# Allegro board neko-m5.brd (continued)
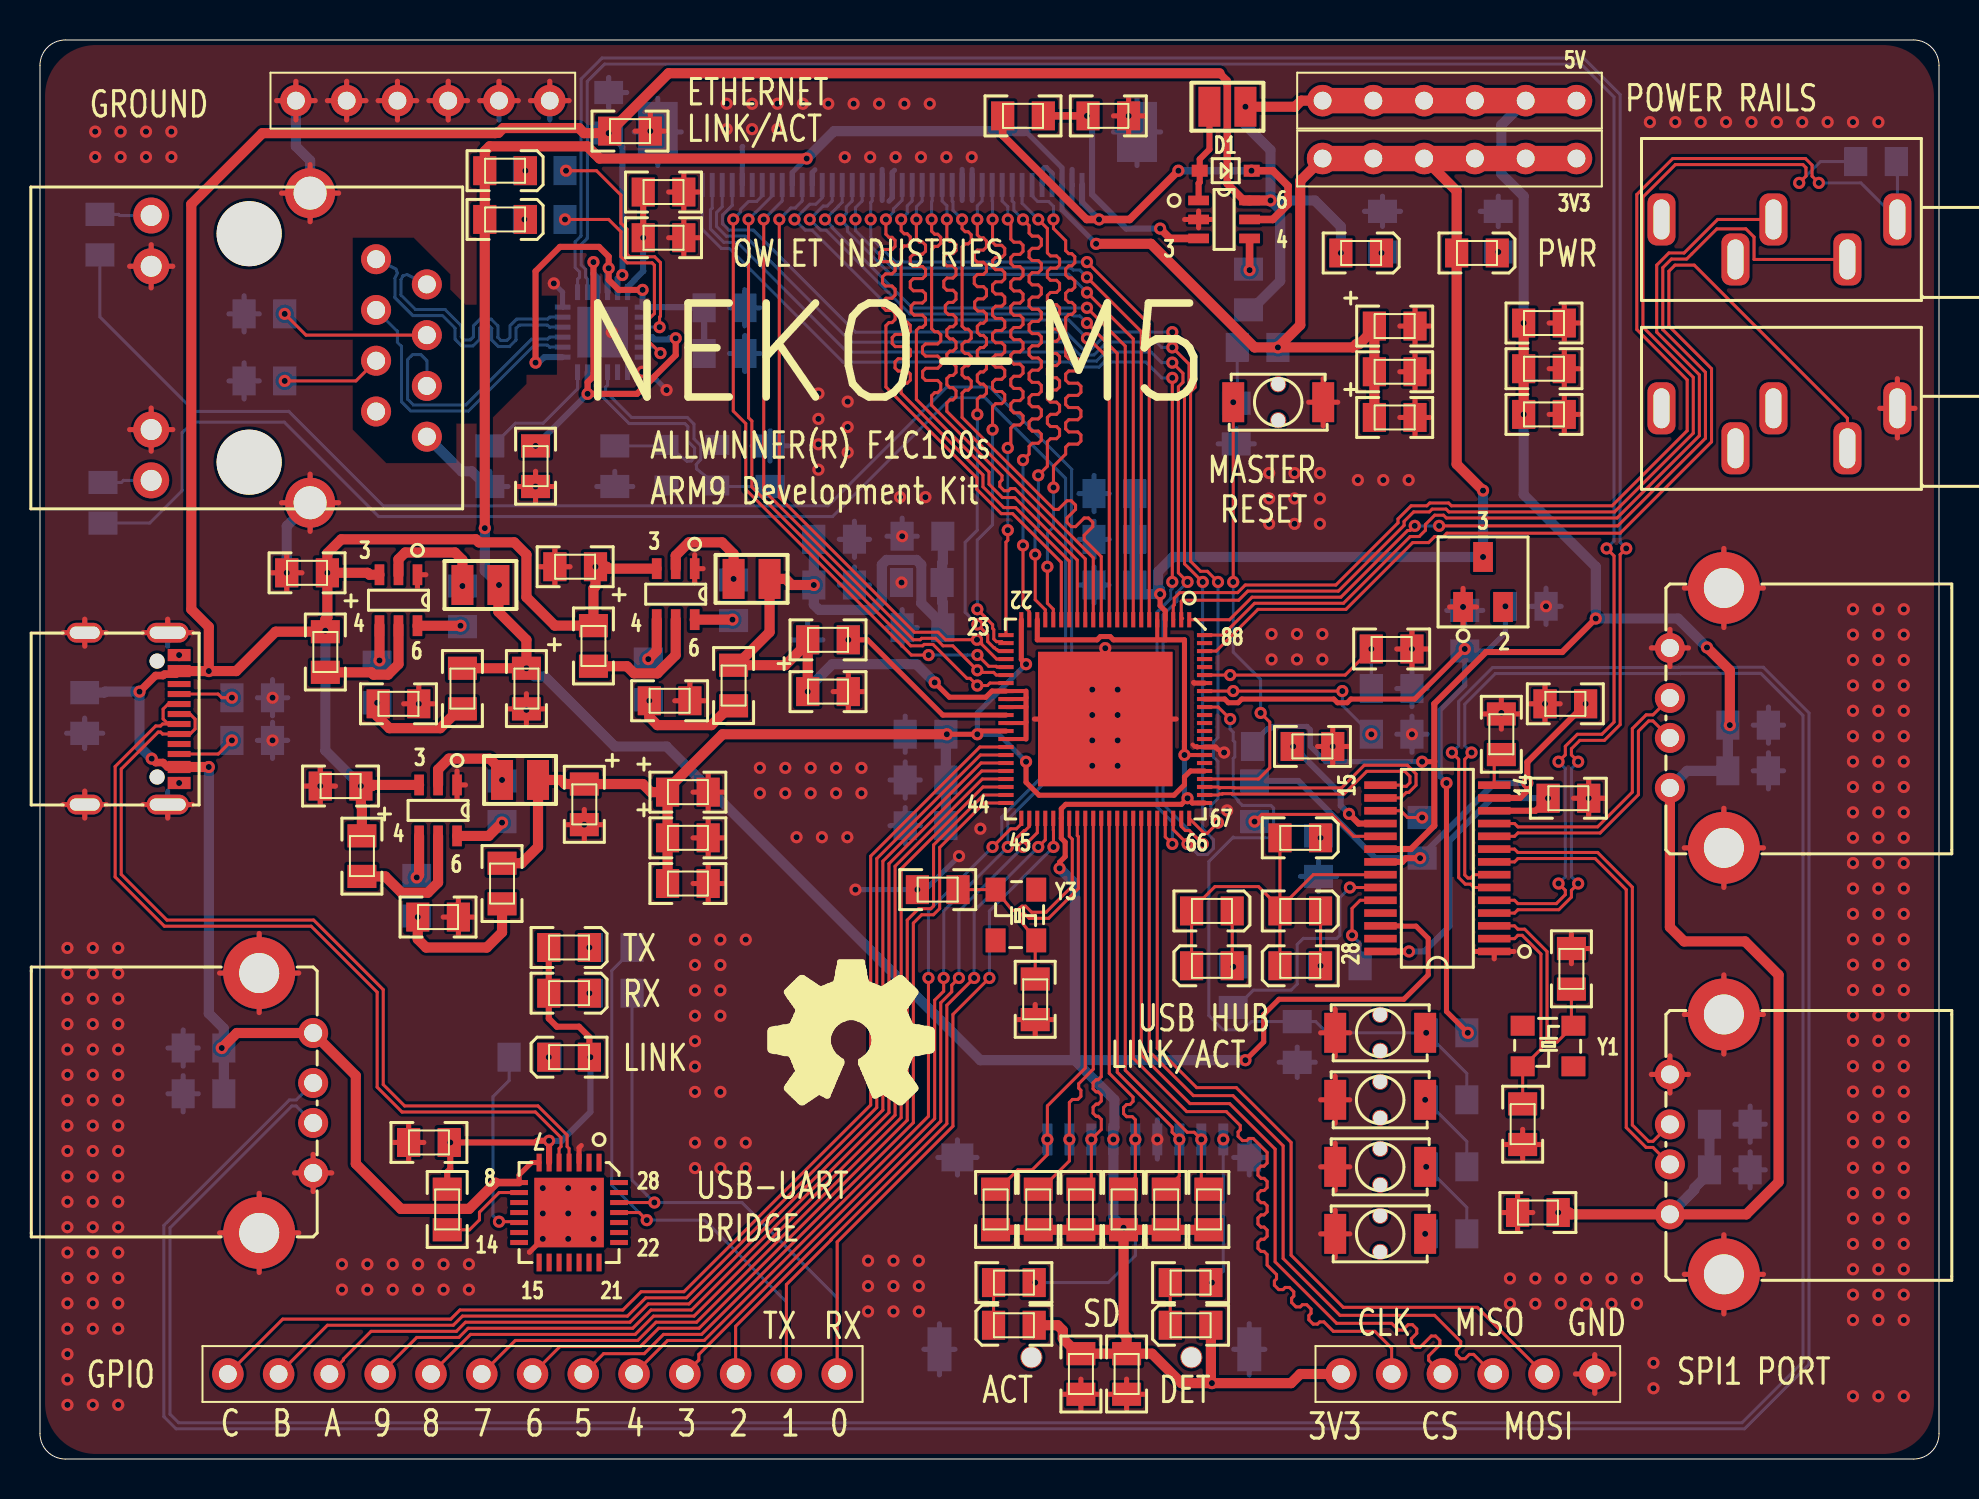
[diagram p0: board, top side]
## Routing (per net, layer and track width the routed paths; a pad name or vN(x,y) marks a point on that pad's centre or on a via; arc(x,y) is an arc through that point)
GND: length 612.4
  TOP w0.203: 57.89,35.62 U2.74 ; 57.66,35.74 57.76,35.64 57.87,35.64
  TOP w0.254: v1(54.46,67.2) 55.22,67.2 ; v1(54.46,67.2) 53.7,67.2 ; v1(54.46,67.2) 54.46,66.29 ; v1(54.46,67.2) 54.46,68.1 ; U2.82 57.74,38.82 57.71,38.85 ; C12.2 77.51,25.54 ; C12.2 76.61,24.78 ; C12.2 76.61,26.3 ; 20.42,66.99 J7.3 ; J7.3 20.42,68.92 ; J7.3 21.39,67.96 ; J7.3 19.46,67.96 ; 75.49,54.55 C35.2 ; C35.2 77.01,54.55 ; C35.2 76.25,53.64 ; C35.2 76.25,55.45 ; U7.1 20.86,34.42 ; U7.1 20.86,33.02 ; U7.1 21.28,33.72 ; C13.2 26.51,44.64 ; C13.2 25.76,45.54 ; C13.2 25.76,43.74 ; C13.2 25,44.64 ; 64.06,11.26 K5.2 ; K5.2 64.79,12.44 ; K5.2 64.79,10.09 ; K5.2 65.52,11.26 ; 4.48,59.67 J4.10 ; J4.10 5.56,58.59 ; J4.10 6.64,59.67 ; J4.10 5.56,60.75 ; C71.2 18.44,16.74 ; C71.2 19.2,15.84 ; C71.2 18.44,14.93 ; C71.2 17.68,15.84 ; C6.2 69.54,52.11 ; C6.2 68.78,51.2 ; C6.2 68.02,52.11 ; C6.2 68.78,53.01 ; J3.6 77.77,5.22 ; J3.6 77.77,3.29 ; J3.6 76.81,4.25 ; J3.6 78.74,4.25 ; C72.2 52.97,3.24 ; C72.2 51.17,3.24 ; C72.2 52.07,2.48 ; C72.2 52.07,4 ; U2.74 58.8,35.62 58.93,35.5 ; J12.6 10.97,26.29 ; J12.6 12.94,24.31 ; J12.6 8.99,24.31 ; J12.6 10.97,22.33 ; 92.91,51.09 J6.1 ; J6.1 92.91,54.04 ; J6.1 92.03,52.57 ; J6.1 93.79,52.57 ; 31.45,63.39 C40.2 ; C40.2 32.97,63.39 ; C40.2 32.21,64.29 ; C40.2 32.21,62.48 ; 82.26,22.24 J11.5 ; J11.5 84.23,24.22 ; J11.5 84.23,20.26 ; J11.5 86.21,22.24 ; J10.4 82.46,40.58 ; J10.4 80.61,40.58 ; J10.4 81.53,39.65 ; J10.4 81.53,41.5 ; 54.36,2.48 C73.2 ; C73.2 54.36,4 ; C73.2 55.26,3.24 ; C73.2 53.45,3.24 ; v1(24.79,48.65) 24.79,49.41 ; v1(24.79,48.65) 23.89,48.65 ; v1(24.79,48.65) 25.69,48.65 ; v1(24.79,48.65) 24.79,47.9 ; C41.2 32.97,61.1 ; C41.2 31.45,61.1 ; C41.2 32.21,60.2 ; C41.2 32.21,62 ; 32.75,43.84 U5.1 ; U5.1 32.75,45.24 ; U5.1 33.17,44.54 ; 48.88,21.98 C55.2 ; C55.2 49.78,22.74 ; C55.2 50.69,21.98 ; C55.2 49.78,21.23 ; 13.26,33.67 v1(14.02,33.67) ; v1(14.02,33.67) 14.02,32.76 ; v1(14.02,33.67) 14.02,34.57 ; v1(14.02,33.67) 14.78,33.67 ; J7.5 15.34,68.92 ; J7.5 16.31,67.96 ; J7.5 15.34,66.99 ; J7.5 14.38,67.96 ; 81.53,18.31 J11.4 ; J11.4 82.46,19.24 ; J11.4 81.53,20.17 ; J11.4 80.61,19.24 ; C50.2 25.24,37.53 ; C50.2 23.43,37.53 ; C50.2 24.33,36.77 ; C50.2 24.33,38.29 ; K2.2 65.52,21.32 ; K2.2 64.79,22.5 ; K2.2 64.06,21.32 ; K2.2 64.79,20.14 ; 12.08,47.84 J4.14 ; J4.14 14.94,47.84 ; J4.14 13.51,49.27 ; J4.14 13.51,46.41 ; 68.02,56.68 C3.2 ; C3.2 68.78,55.78 ; C3.2 69.54,56.68 ; C3.2 68.78,57.58 ; v1(27.23,31.74) 27.23,32.5 ; v1(27.23,31.74) 26.33,31.74 ; v1(27.23,31.74) 28.13,31.74 ; v1(27.23,31.74) 27.23,30.98 ; 27.08,15.68 26.97,15.58 U10.3 ; U4.1 73.74,25.39 ; U4.1 72.75,25.02 ; U4.1 71.75,25.39 ; v1(71.19,42.63) 71.19,43.56 ; v1(71.19,42.63) 70.51,42.63 ; v1(71.19,42.63) 71.19,41.7 ; v1(71.19,42.63) 71.86,42.63 ; 5.16,32.74 J13.4 ; J13.4 6.39,32.07 ; J13.4 7.62,32.74 ; R19.1 20.93,28.02 ; R19.1 20.93,26.21 ; R19.1 21.69,27.11 ; R19.1 20.17,27.11 ; 74.53,37.78 v1(75.29,37.78) ; v1(75.29,37.78) 75.29,36.88 ; v1(75.29,37.78) 76.04,37.78 ; v1(75.29,37.78) 75.29,38.69 ; C16.2 74.67,12.33 ; C16.2 73.91,13.24 ; C16.2 73.91,11.43 ; C16.2 73.16,12.33 ; 33.43,27.89 C32.2 ; C32.2 32.67,28.79 ; C32.2 33.43,29.69 ; C32.2 34.18,28.79 ; 84.23,7.26 J11.6 ; J11.6 86.21,9.24 ; J11.6 84.23,11.22 ; J11.6 82.26,9.24 ; R12.1 74,37.27 ; R12.1 73.1,38.03 ; R12.1 73.1,36.52 ; R12.1 72.2,37.27 ; 40.44,37.49 C18.2 ; C18.2 41.2,38.39 ; C18.2 39.68,38.39 ; C18.2 40.44,39.3 ; 73.26,15.74 C20.2 ; C20.2 74.17,16.49 ; C20.2 75.07,15.74 ; C20.2 74.17,14.98 ; 24.54,67.96 J7.1 ; J7.1 25.5,68.92 ; J7.1 26.47,67.96 ; 17.88,66.99 J7.4 ; J7.4 16.92,67.96 ; J7.4 17.88,68.92 ; J7.4 18.85,67.96 ; 4.48,51.5 J4.11 ; J4.11 5.56,50.42 ; J4.11 6.64,51.5 ; J4.11 5.56,52.58 ; J7.6 12.8,68.92 ; J7.6 13.77,67.96 ; J7.6 11.84,67.96 ; J7.6 12.8,66.99 ; U1.2 57.96,62.43 ; U1.2 57.96,61.59 ; U1.2 58.66,62.01 ; U1.2 57.26,62.01 ; 11.59,44.34 v1(12.34,44.34) ; v1(12.34,44.34) 13.1,44.34 ; v1(12.34,44.34) 12.34,43.43 ; v1(12.34,44.34) 12.34,45.24 ; v1(68.63,40.53) 68.63,41.43 ; v1(68.63,40.53) 69.39,40.53 ; v1(68.63,40.53) 68.63,39.62 ; v1(68.63,40.53) 67.87,40.53 ; 82.26,43.58 J10.5 ; J10.5 84.23,45.55 ; J10.5 86.21,43.58 ; J10.5 84.23,41.6 ; 64.06,14.62 K4.2 ; K4.2 64.79,13.44 ; K4.2 65.52,14.62 ; K4.2 64.79,15.8 ; v1(64.67,35.65) 64.67,36.55 ; v1(64.67,35.65) 63.91,35.65 ; v1(64.67,35.65) 64.67,34.75 ; v1(64.67,35.65) 65.43,35.65 ; C36.2 76.25,53.16 ; C36.2 76.25,51.36 ; C36.2 77.01,52.26 ; C36.2 75.49,52.26 ; v1(77.47,33.06) 78.23,33.06 ; v1(77.47,33.06) 77.47,33.96 ; v1(77.47,33.06) 76.71,33.06 ; v1(77.47,33.06) 77.47,32.15 ; J7.2 23.93,67.96 ; J7.2 22,67.96 ; J7.2 22.96,68.92 ; K3.2 64.79,19.15 ; K3.2 64.79,16.79 ; K3.2 64.06,17.97 ; K3.2 65.52,17.97 ; 68.02,54.39 C7.2 ; C7.2 68.78,55.3 ; C7.2 68.78,53.49 ; C7.2 69.54,54.39 ; C30.2 33.43,34.27 ; C30.2 34.18,33.36 ; C30.2 33.43,32.46 ; C30.2 32.67,33.36 ; v1(18.95,37.78) 19.71,37.78 ; v1(18.95,37.78) 18.95,38.69 ; v1(18.95,37.78) 18.19,37.78 ; R15.1 32.51,38.84 ; R15.1 33.27,37.93 ; R15.1 31.75,37.93 ; C31.2 33.43,31.98 ; C31.2 33.43,30.17 ; C31.2 34.18,31.08 ; C31.2 32.67,31.08 ; U2.89 v1(53.29,40.56) ; U2.89 49.75,37.02 ; U2.89 56.83,37.02 ; 19.3,44.24 U3.1 18.88,43.54 ; 10.97,9.33 J12.5 ; J12.5 10.97,13.29 ; J12.5 12.94,11.31 ; J12.5 8.99,11.31 ; J4.13 14.94,63.33 ; J4.13 12.08,63.33 ; J4.13 13.51,61.9 ; J4.13 13.51,64.76 ; 82.26,30.58 J10.6 ; J10.6 84.23,32.55 ; J10.6 86.21,30.58 ; J10.6 84.23,28.6 ; 13.67,13.38 J12.4 ; J12.4 13.67,15.24 ; J12.4 12.74,14.31 ; J12.4 14.59,14.31 ; J13.3 2.24,33.41 ; J13.3 1.16,32.74 ; J13.3 2.24,32.07 ; J13.3 3.32,32.74 ; K1.2 64.19,54.05 ; K1.2 64.19,51.69 ; K1.2 64.92,52.87 ; K1.2 63.46,52.87 ; J13.2 3.32,41.34 ; J13.2 1.16,41.34 ; J13.2 2.24,40.67 ; J13.2 2.24,42.01 ; v1(25.15,11.01) 24.49,10.35 24.49,10.35 ; 76.25,55.93 C34.2 ; C34.2 76.25,57.74 ; C34.2 77.01,56.83 ; C34.2 75.49,56.83 ; v1(30.53,66.43) 31.29,66.43 ; v1(30.53,66.43) 30.53,67.34 ; v1(30.53,66.43) 29.77,66.43 ; 5.16,41.34 J13.1 ; J13.1 6.39,42.01 ; J13.1 7.62,41.34 ; 57.87,35.64 57.89,35.62
  BOTTOM w0.254: 58.94,50.79 C56.2 ; C56.2 59.84,50.03 ; C56.2 59.84,51.55 ; C56.2 60.75,50.79 ; J1.42 32.08,66.39 ; J1.42 29.73,66.39 ; J1.42 30.9,68.07 ; J1.42 30.9,64.71 ; 52.73,47.39 C51.2 ; C51.2 52.73,49.2 ; C51.2 53.49,48.3 ; C51.2 51.97,48.3 ; C48.2 43.28,37.16 ; C48.2 42.52,36.26 ; C48.2 44.04,36.26 ; C48.2 43.28,35.36 ; 74.58,42.66 v1(75.34,42.66) ; v1(75.34,42.66) 75.34,43.56 ; v1(75.34,42.66) 76.09,42.66 ; v1(75.34,42.66) 75.34,41.76 ; 67.16,61.66 R20.1 ; R20.1 67.16,63.18 ; R20.1 66.25,62.42 ; R20.1 68.06,62.42 ; J1.41 56.06,66.39 ; J1.41 54.88,64.71 ; J1.41 53.7,66.39 ; J1.41 54.88,68.07 ; 44.92,15.09 U9.13 ; U9.13 46.87,15.09 ; U9.13 45.89,15.97 ; U9.13 45.89,14.21 ; 39.68,38.39 C18.2 ; C18.2 41.2,38.39 ; C18.2 40.44,37.49 ; 61.99,19.85 C58.2 ; C58.2 63.79,19.85 ; C58.2 62.89,20.61 ; C58.2 62.89,19.09 ; 84.23,7.26 J11.6 ; J11.6 84.23,11.22 ; J11.6 82.26,9.24 ; J11.6 86.21,9.24 ; 1.16,32.74 J13.3 ; J13.3 3.32,32.74 ; J13.3 2.24,32.07 ; J13.3 2.24,33.41 ; J4.13 14.94,63.33 ; J4.13 12.08,63.33 ; J4.13 13.51,61.9 ; 37.65,40.98 R26.1 ; R26.1 39.16,40.98 ; R26.1 38.4,41.89 ; R26.1 38.4,40.08 ; C16.2 73.91,13.24 ; C16.2 73.16,12.33 ; C16.2 74.67,12.33 ; C16.2 73.91,11.43 ; 10.97,9.33 J12.5 ; J12.5 10.97,13.29 ; J12.5 8.99,11.31 ; J12.5 12.94,11.31 ; v1(40.79,28.49) v1(43.89,28.49) 44.3,28.49 v1(45.97,30.16) ; 38.77,64.5 38.63,64.36 J1.29 ; 11.84,67.96 J7.6 ; J7.6 13.77,67.96 ; J7.6 12.8,68.92 ; J11.5 86.21,22.24 ; J11.5 84.23,20.26 ; J11.5 84.23,24.22 ; J11.5 82.26,22.24 ; 74.53,37.78 v1(75.29,37.78) ; v1(75.29,37.78) 75.29,38.69 ; v1(75.29,37.78) 76.04,37.78 ; v1(75.29,37.78) 75.29,36.88 ; 2.24,40.67 J13.2 ; J13.2 3.32,41.34 ; J13.2 2.24,42.01 ; J13.2 1.16,41.34 ; 52.73,42.82 C53.2 ; C53.2 53.49,43.73 ; C53.2 52.73,44.63 ; C53.2 51.97,43.73 ; C71.2 18.44,16.74 ; C71.2 18.44,14.93 ; C71.2 19.2,15.84 ; C71.2 17.68,15.84 ; 46.13,62.96 J1.14 46.13,64.52 ; 17.88,66.99 J7.4 ; J7.4 16.92,67.96 ; J7.4 17.88,68.92 ; J7.4 18.85,67.96 ; 44.99,4.21 U9.12 ; U9.12 44.22,5.49 ; U9.12 45.77,5.49 ; U9.12 44.99,6.77 ; 42.47,62.93 42.63,63.09 J1.21 42.63,64.36 42.75,64.48 ; J4.11 5.56,52.58 ; J4.11 4.48,51.5 ; J4.11 6.64,51.5 ; J4.11 5.56,50.42 ; J3.6 77.77,5.22 ; J3.6 76.81,4.25 ; J3.6 77.77,3.29 ; J3.6 78.74,4.25 ; 68.63,35.36 v1(68.63,36.26) ; v1(68.63,36.26) 67.87,36.26 ; v1(68.63,36.26) 68.63,37.16 ; v1(68.63,36.26) 69.39,36.26 ; v1(14.02,33.67) 14.02,34.57 ; v1(14.02,33.67) 13.26,33.67 ; v1(14.02,33.67) 14.78,33.67 ; v1(14.02,33.67) 14.02,32.76 ; 77.47,32.15 v1(77.47,33.06) ; v1(77.47,33.06) 77.47,33.96 ; v1(77.47,33.06) 78.23,33.06 ; C13.2 25.76,45.54 ; C13.2 25.76,43.74 ; C13.2 25,44.64 ; C13.2 26.51,44.64 ; C62.2 69.39,38.54 ; C62.2 68.63,37.64 ; C62.2 68.63,39.45 ; C62.2 67.87,38.54 ; J7.3 21.39,67.96 ; J7.3 20.42,68.92 ; J7.3 20.42,66.99 ; J7.3 19.46,67.96 ; 11.59,44.34 v1(12.34,44.34) ; v1(12.34,44.34) 12.34,43.43 ; v1(12.34,44.34) 13.1,44.34 ; C19.2 40.74,44.63 ; C19.2 41.5,43.73 ; C19.2 39.98,43.73 ; C22.2 72.18,42.46 ; C22.2 71.27,43.21 ; C22.2 70.37,42.46 ; C22.2 71.27,41.7 ; C59.2 10.21,54.84 ; C59.2 10.21,53.03 ; C59.2 9.45,53.94 ; C59.2 10.97,53.94 ; C27.2 29.35,68.36 ; C27.2 28.45,69.12 ; C27.2 28.45,67.61 ; 36.53,49.93 C39.2 ; C39.2 36.53,51.44 ; C39.2 35.62,50.69 ; C39.2 37.43,50.69 ; v1(43.13,46.16) 43.89,46.16 ; v1(43.13,46.16) 42.37,46.16 ; v1(43.13,46.16) 43.13,47.07 ; 85.55,13.56 C67.2 ; C67.2 84.79,14.47 ; C67.2 85.55,15.37 ; C67.2 86.31,14.47 ; C60.2 10.97,57.29 ; C60.2 10.21,58.19 ; C60.2 9.45,57.29 ; C60.2 10.21,56.39 ; 22.96,66.99 J7.2 ; J7.2 23.93,67.96 ; J7.2 22,67.96 ; J7.2 22.96,68.92 ; J7.1 25.5,68.92 ; J7.1 24.54,67.96 ; J7.1 25.5,66.99 ; J7.1 26.47,67.96 ; 7.16,17.37 C69.2 ; C69.2 6.4,18.28 ; C69.2 7.16,19.18 ; C69.2 7.92,18.28 ; v1(11.63,35.95) 11.63,36.86 ; v1(11.63,35.95) 10.87,35.95 ; v1(11.63,35.95) 11.63,35.05 ; v1(11.63,35.95) 12.39,35.95 ; C52.2 52.73,46.92 ; C52.2 52.73,45.11 ; C52.2 51.97,46.01 ; C52.2 53.49,46.01 ; J10.4 82.46,40.58 ; J10.4 81.53,41.5 ; J10.4 80.61,40.58 ; J4.10 5.56,60.75 ; J4.10 6.64,59.67 ; J4.10 4.48,59.67 ; J4.10 5.56,58.59 ; J1.6 50.13,64.49 50.24,64.6 50.35,64.6 50.63,64.33 J1.5 ; J12.6 12.94,24.31 ; J12.6 10.97,22.33 ; J12.6 8.99,24.31 ; J12.6 10.97,26.29 ; v1(11.63,38.09) 11.63,38.99 ; v1(11.63,38.09) 10.87,38.09 ; v1(11.63,38.09) 11.63,37.18 ; v1(11.63,38.09) 12.39,38.09 ; 15.34,66.99 J7.5 ; J7.5 14.38,67.96 ; J7.5 16.31,67.96 ; J7.5 15.34,68.92 ; C47.2 43.28,32.59 ; C47.2 43.28,30.78 ; C47.2 42.52,31.69 ; C47.2 44.04,31.69 ; C49.2 44.04,33.97 ; C49.2 42.52,33.97 ; C49.2 43.28,34.88 ; C49.2 43.28,33.07 ; 35.26,56.69 C25.2 ; C25.2 36.01,57.59 ; C25.2 35.26,58.5 ; C25.2 34.5,57.59 ; 84.23,41.6 J10.5 ; J10.5 86.21,43.58 ; J10.5 82.26,43.58 ; J10.5 84.23,45.55 ; 46.63,64.52 J1.13 46.63,62.96 ; C42.2 40.74,46.92 ; C42.2 39.98,46.01 ; C42.2 41.5,46.01 ; C42.2 40.74,45.11 ; U9.10 60.49,15.97 ; U9.10 60.49,14.21 ; U9.10 59.72,15.09 ; U9.10 61.27,15.09 ; R21.1 72.95,63.18 ; R21.1 72.95,61.66 ; R21.1 72.05,62.42 ; J13.1 7.62,41.34 ; J13.1 6.39,40.67 ; J13.1 5.16,41.34 ; J13.1 6.39,42.01 ; 12.08,47.84 J4.14 ; J4.14 14.94,47.84 ; J4.14 13.51,49.27 ; J4.14 13.51,46.41 ; 35.26,54.41 C24.2 ; C24.2 36.01,55.31 ; C24.2 35.26,56.21 ; C24.2 34.5,55.31 ; C68.2 7.92,20.56 ; C68.2 6.4,20.56 ; C68.2 7.16,19.66 ; C68.2 7.16,21.46 ; C66.2 85.55,17.65 ; C66.2 86.31,16.75 ; C66.2 85.55,15.85 ; C66.2 84.79,16.75 ; v1(68.63,40.53) 69.39,40.53 ; v1(68.63,40.53) 68.63,41.43 ; v1(68.63,40.53) 68.63,39.62 ; v1(68.63,40.53) 67.87,40.53 ; C54.2 28.75,49.41 ; C54.2 27.85,48.65 ; C54.2 29.66,48.65 ; J10.6 86.21,30.58 ; J10.6 84.23,32.55 ; J10.6 84.23,28.6 ; J10.6 82.26,30.58 ; 86.46,35.81 C65.2 ; C65.2 86.46,37.62 ; C65.2 85.7,36.72 ; C65.2 87.22,36.72 ; 81.53,18.31 J11.4 ; J11.4 82.46,19.24 ; J11.4 80.61,19.24 ; J11.4 81.53,20.17 ; 42.13,62.96 J1.22 42.13,64.52 ; U8.6 26.14,58.38 v1(25.7,58.81) ; 63.05,29.15 R51.2 ; R51.2 63.96,29.9 ; R51.2 64.86,29.15 ; R51.2 63.96,28.39 ; C64.2 86.46,35.33 ; C64.2 86.46,33.53 ; C64.2 85.7,34.43 ; C64.2 87.22,34.43 ; J12.4 13.67,15.24 ; J12.4 14.59,14.31 ; J12.4 12.74,14.31 ; J12.4 13.67,13.38 ; J13.4 6.39,33.41 ; J13.4 7.62,32.74 ; J13.4 5.16,32.74 ; J13.4 6.39,32.07 ; 43.13,40.69 C45.2 ; C45.2 43.89,41.59 ; C45.2 43.13,42.5 ; C45.2 42.37,41.59 ; 23.89,48.65 v1(24.79,48.65) ; v1(24.79,48.65) 24.79,49.41 ; v1(24.79,48.65) 25.69,48.65 ; 51.63,64.52 J1.3 51.63,62.96 ; J1.36 35.13,65.65 35.15,65.67 ; C33.2 2.24,37.07 ; C33.2 1.33,36.31 ; C33.2 3.14,36.31 ; C33.2 2.24,35.55 ; R22.2 22.5,49.41 ; R22.2 23.41,48.65 ; R22.2 22.36,48.65 ; 60.49,4.21 U9.11 ; U9.11 61.27,5.49 ; U9.11 59.72,5.49 ; U9.11 60.49,6.77 ; 92.91,51.09 J6.1 ; J6.1 93.79,52.57 ; J6.1 92.91,54.04 ; J6.1 92.03,52.57 ; 55.89,16.97 v1(55.89,15.99) 55.89,15.01 ; v1(31.34,53.48) 30.82,54 30.52,54 v1(30.12,54.39)
  BOTTOM w0.508: 22.36,48.65 21.6,49.41 21.09,49.41 J4.8 ; J4.13 13.51,64.96 12.8,65.67 J7.6 ; J4.14 12.34,46.67 v1(12.34,44.34)
  vias: v1(1.37,25.57) v1(1.37,24.3) v1(1.37,23.03) v1(1.37,21.76) v1(1.37,20.49) v1(1.37,19.22) v1(1.37,17.95) v1(1.37,16.68) v1(1.37,15.41) v1(1.37,14.14) v1(1.37,12.87) v1(1.37,11.6) v1(1.37,10.33) v1(1.37,9.06) v1(1.37,7.79) v1(1.37,6.52) v1(1.37,5.25) v1(1.37,3.98) v1(1.37,2.71) v1(2.64,25.57) v1(2.64,24.3) v1(2.64,23.03) v1(2.64,21.76) v1(2.64,20.49) v1(2.64,19.22) v1(2.64,17.95) v1(2.64,16.68) v1(2.64,15.41) v1(2.64,14.14) v1(2.64,12.87) v1(2.64,11.6) v1(2.64,10.33) v1(2.64,9.06) v1(2.64,7.79) v1(2.64,6.52) v1(2.64,2.71) v1(2.76,66.41) v1(2.76,65.14) v1(3.91,25.57) v1(3.91,24.3) v1(3.91,23.03) v1(3.91,21.76) v1(3.91,20.49) v1(3.91,19.22) v1(3.91,17.95) v1(3.91,16.68) v1(3.91,15.41) v1(3.91,14.14) v1(3.91,12.87) v1(3.91,11.6) v1(3.91,10.33) v1(3.91,9.06) v1(3.91,7.79) v1(3.91,6.52) v1(3.91,2.71) v1(4.03,66.41) v1(4.03,65.14) v1(5.3,66.41) v1(5.3,65.14) v1(6.57,66.41) v1(6.57,65.14) v1(6.96,40.22) v1(6.96,33.82) v1(15.11,9.74) v1(15.11,8.47) v1(16.38,9.74) v1(16.38,8.47) v1(17.65,9.74) v1(17.65,8.47) v1(18.92,9.74) v1(18.92,8.47) v1(20.19,9.74) v1(20.19,8.47) v1(21.46,9.74) v1(21.46,8.47) v1(24.33,37.48) v1(25.15,13.55) v1(25.15,12.28) v1(26.42,13.55) v1(26.42,12.28) v1(26.42,11.01) v1(27.69,13.55) v1(27.69,12.28) v1(27.69,11.01) v1(28.6,56.38) v1(32.77,25.99) v1(32.77,24.72) v1(32.77,23.45) v1(32.77,22.18) v1(32.77,20.91) v1(32.77,19.64) v1(32.77,18.37) v1(32.77,15.83) v1(32.77,14.56) v1(34.04,25.99) v1(34.04,24.72) v1(34.04,23.45) v1(34.04,22.18) v1(34.04,18.37) v1(34.04,15.83) v1(34.04,14.56) v1(34.35,67.8) v1(34.35,66.53) v1(35.31,25.99) v1(35.31,15.83) v1(35.31,14.56) v1(35.62,67.8) v1(35.62,66.53) v1(36.01,34.58) v1(36.01,33.31) v1(36.89,67.8) v1(36.89,66.53) v1(37.28,34.58) v1(37.28,33.31) v1(37.85,31.11) v1(38.16,67.8) v1(38.55,34.58) v1(38.55,33.31) v1(38.94,53.31) v1(38.94,52.04) v1(38.94,50.77) v1(38.94,49.5) v1(39.12,31.11) v1(39.43,67.8) v1(39.82,34.58) v1(39.82,33.31) v1(40.26,65.13) v1(40.4,52.9) v1(40.4,51.63) v1(40.4,50.36) v1(40.39,31.11) v1(40.7,67.8) v1(41.09,34.58) v1(41.09,33.31) v1(41.42,9.92) v1(41.42,8.65) v1(41.42,7.38) v1(41.53,65.13) v1(41.97,67.8) v1(42.69,9.92) v1(42.69,8.65) v1(42.69,7.38) v1(42.8,65.13) v1(43.02,48.12) v1(43.1,43.85) v1(43.24,67.8) v1(43.96,9.92) v1(43.96,8.65) v1(43.96,7.38) v1(44.07,65.13) v1(44.29,48.12) v1(44.51,67.8) v1(45.34,65.13) v1(46.61,65.13) v1(47.04,31.53) v1(52.64,38.49) v1(52.64,37.22) v1(52.64,35.95) v1(52.64,34.68) v1(53.91,38.49) v1(53.91,37.22) v1(53.91,35.95) v1(53.91,34.68) v1(59.23,35.34) v1(59.39,32.45) v1(61.49,49.33) v1(61.49,48.06) v1(61.49,46.79) v1(61.61,41.27) v1(61.61,40) v1(62.76,49.33) v1(62.76,48.06) v1(62.76,46.79) v1(62.88,41.27) v1(62.88,40) v1(64.03,49.33) v1(64.03,48.06) v1(64.03,46.79) v1(64.15,41.27) v1(64.15,40) v1(65.93,48.98) v1(67.2,48.98) v1(68.47,48.98) v1(73.1,37.33) v1(73.53,9.04) v1(73.53,7.77) v1(74.8,9.04) v1(74.8,7.77) v1(76.07,9.04) v1(76.07,7.77) v1(77.34,9.04) v1(77.34,7.77) v1(78.61,9.04) v1(78.61,7.77) v1(79.88,9.04) v1(79.88,7.77) v1(80.53,66.88) v1(80.71,4.81) v1(80.71,3.54) v1(81.8,66.88) v1(83.07,66.88) v1(84.34,66.88) v1(85.61,66.88) v1(86.88,66.88) v1(88.15,66.88) v1(89.42,66.88) v1(90.69,66.88) v1(90.69,42.51) v1(90.69,41.24) v1(90.69,39.97) v1(90.69,38.7) v1(90.69,37.43) v1(90.69,36.16) v1(90.69,34.89) v1(90.69,33.62) v1(90.69,32.35) v1(90.69,31.08) v1(90.69,29.81) v1(90.69,28.54) v1(90.69,27.27) v1(90.69,26) v1(90.69,24.73) v1(90.69,23.46) v1(90.69,22.19) v1(90.69,20.92) v1(90.69,19.65) v1(90.69,18.38) v1(90.69,17.11) v1(90.69,15.84) v1(90.69,14.57) v1(90.69,13.3) v1(90.69,12.03) v1(90.69,10.76) v1(90.69,9.49) v1(90.69,8.22) v1(90.69,6.95) v1(90.69,3.14) v1(91.96,66.88) v1(91.96,42.51) v1(91.96,41.24) v1(91.96,39.97) v1(91.96,38.7) v1(91.96,37.43) v1(91.96,36.16) v1(91.96,34.89) v1(91.96,33.62) v1(91.96,32.35) v1(91.96,31.08) v1(91.96,29.81) v1(91.96,28.54) v1(91.96,27.27) v1(91.96,26) v1(91.96,24.73) v1(91.96,23.46) v1(91.96,22.19) v1(91.96,20.92) v1(91.96,19.65) v1(91.96,18.38) v1(91.96,17.11) v1(91.96,15.84) v1(91.96,14.57) v1(91.96,13.3) v1(91.96,12.03) v1(91.96,10.76) v1(91.96,9.49) v1(91.96,8.22) v1(91.96,6.95) v1(91.96,3.14) v1(93.23,42.51) v1(93.23,41.24) v1(93.23,39.97) v1(93.23,38.7) v1(93.23,37.43) v1(93.23,36.16) v1(93.23,34.89) v1(93.23,33.62) v1(93.23,32.35) v1(93.23,31.08) v1(93.23,29.81) v1(93.23,28.54) v1(93.23,27.27) v1(93.23,26) v1(93.23,24.73) v1(93.23,23.46) v1(93.23,22.19) v1(93.23,20.92) v1(93.23,19.65) v1(93.23,18.38) v1(93.23,17.11) v1(93.23,15.84) v1(93.23,14.57) v1(93.23,13.3) v1(93.23,12.03) v1(93.23,10.76) v1(93.23,9.49) v1(93.23,8.22) v1(93.23,6.95) v1(93.23,3.14)
VCC5: length 347
  TOP w0.254: v1(69.14,34.89) 69.75,34.89 ; U10.8 23.97,14.21 24.59,14.83 U10.7 ; v1(14.27,41.44) R5.2
  TOP w0.305: U4.20 68.15,30.51 68.15,30.52 68.58,30.52 69.75,31.69 69.75,37.78 72.34,40.37 76.15,40.37 v1(77.83,42.05)
  TOP w0.381: 59,69.33 59.39,68.95 59.39,68.8 59.39,68.8 59.39,63.8 60.23,62.96 ; U10.8 22.79,13.83 ; J13.A4 6.8,39.27 6.23,39.27 6.16,39.2 5.78,39.2 v1(4.98,38.39) ; v1(5.59,35.04) 5.78,34.84 6.16,34.84 6.38,34.62 J13.B4
  TOP w0.508: v1(75.95,12.33) 76.5,12.33 76.6,12.24 J11.1 85.35,12.24 86.97,13.86 86.97,24.22 85.29,25.9 82.25,25.9 81.53,26.61 J10.1 ; J13.A4 v1(8.45,39.42) ; v1(8.45,39.42) 9.82,39.42 11.79,41.39 R5.2 ; v1(8.45,39.42) 8.45,41.63 7.57,42.51 7.57,62.78 11.13,66.33 22.77,66.33 22.79,66.35 22.93,66.35 23.17,66.59 26.96,66.59 27.22,66.33 v1(28.45,66.33) 31.45,69.33 59,69.33 ; J9.6 63.09,67.96 62.79,67.65 v1(60.3,67.65) ; J13.B4 v1(8.44,34.62) ; v1(9.09,20.56) 9.84,21.31 J12.1 15.8,19.18 15.8,14.77 18.06,12.51 21.47,12.51 22.79,13.83 ; v1(14.27,41.44) 14.27,42 14.38,42.1 v1(14.38,44.34) ; U7.3 16.67,33.72 16.61,33.67 v1(16.05,33.67) 16.05,32.69 16.1,32.64 R16.2 ; v1(74.22,52.26) C35.1 v1(74.22,56.83) ; v1(14.38,44.34) 16.39,44.34 16.49,44.24 U3.3 ; v1(14.38,44.34) 14.38,45.31 15.07,46.01 21.8,46.01 21.96,45.86 23.72,45.86 24.33,45.25 24.33,43.12 25.76,41.69 R11.2 27.69,43.56 27.79,43.66 v1(27.79,44.64) 28.35,44.64 28.44,44.54 U5.3 ; v1(61.55,62.96) U1.6 60.23,62.96 ; v1(84.53,36.72) 84.53,39.46 v1(83.39,40.6)
  TOP w1.27: J9.6 J9.5 J9.4 J9.3 J9.2 J9.1
  BOTTOM w0.254: v1(69.14,34.89) 64.31,34.89 63.55,35.65 63.55,36.49 63.38,36.65 61.66,36.65 61.56,36.55 61.42,36.55 60.66,35.79 R7.2
  BOTTOM w0.305: v1(28.45,66.33) 29.13,65.65 v1(29.13,59.23) 29.06,59.23 28.89,59.07 U8.11
  BOTTOM w0.508: v1(60.3,67.65) 60.3,66.74 61.55,65.48 v1(61.55,62.96) ; v1(74.22,52.26) 74.22,48.25 77.83,44.64 v1(77.83,42.05) 81.94,42.05 v1(83.39,40.6) ; J11.1 82.76,13.46 82.76,13.56 83.52,14.32 C67.1 C66.1 ; v1(74.22,56.83) 74.22,63.18 73.1,64.3 73.1,66.74 J9.2 ; v1(14.27,41.44) 14.27,35.45 v1(16.05,33.67) ; C65.1 C64.1 82.39,34.43 J10.1 ; v1(61.55,62.96) 63.77,62.96 65.07,61.66 v1(65.07,60.34) ; v1(61.55,62.96) 62.04,62.48 62.04,58.94 60.6,57.49 R3.2 ; v1(5.59,35.04) 4.98,35.65 v1(4.98,38.39) 3.27,38.39 3.21,38.34 C33.1 ; C69.1 C68.1 9.19,21.54 8.44,22.29 v1(8.44,34.62)
VCC11: length 60.4
  TOP w0.254: v1(45.36,36.26) v1(46.89,36.26) 47.05,36.42 U2.35 ; v1(49.33,39.76) 49.09,40 U2.22 ; U2.71 57.55,34.42 57.25,34.12 57.25,33.73 56.73,33.21 49.97,33.21 49.33,33.86 v1(49.33,34.89)
  TOP w0.508: C30.1 30.56,33.36 30.15,33.77 C46.1 26.25,33.77 26.05,33.97 L4.2 24.91,30.63 24.09,29.81 R18.2 ; C30.1 C31.1 C32.1 ; C30.1 31.39,33.51 34.14,36.26 v1(45.36,36.26)
  BOTTOM w0.254: v1(49.33,34.89) 47.96,36.26 v1(46.89,36.26) 46.89,37.33 v1(49.33,39.76)
  BOTTOM w0.508: C48.1 C49.1 C47.1
VCC25: length 51.9
  TOP w0.203: U2.34 49.28,36.82 49.33,36.87 ; 49.33,38.09 49.26,38.02 U2.31 ; U2.30 49.33,38.42 ; U2.32 49.32,37.62 49.33,37.63 ; U2.36 49.33,36.02
  TOP w0.254: U2.30 47.62,38.42 47.32,38.11 45.49,38.11 v1(44.75,38.85) ; 38.4,40.84 R24.2 ; 34.84,39.71 R14.2 ; 49.33,38.42 49.33,36.02
  TOP w0.508: v1(38.71,43.73) 37.61,43.73 37.3,44.03 L3.2 36.5,41.37 34.84,39.71 37.28,39.71 38.4,40.84 v1(38.4,38.39)
  BOTTOM w0.508: 45.16,41.74 44.08,42.81 44.08,44.74 43.85,44.98 42.35,44.98 42.11,44.74 42.11,42.96 41.64,42.49 38.97,42.49 38.71,42.75 v1(38.71,43.73) C42.1 ; 45.16,41.74 C45.1 ; 45.16,41.74 45.16,42.84 45.13,42.87 C44.1 45.13,44.83 45.16,44.86 C43.1 ; v1(38.4,38.39) 38.4,38.54 39.63,39.76 43.84,39.76 v1(44.75,38.85)
VCC30: length 38.3
  TOP w0.254: v1(71.27,40.53) 68.77,38.02 65.57,38.02 65.39,37.84 64.91,37.84 64.72,38.02 60.12,38.02 59.93,37.84 59.45,37.84 59.26,38.02 U2.80 ; v1(71.42,21.32) 70.36,22.39 v1(70.36,33.82)
  BOTTOM w0.254: v1(70.36,33.82) 70.04,34.13 70.04,37.48 71.27,38.7 C22.1 72.39,40.42 73.3,41.34 v1(73.3,42.66)
VCC33: length 303.7
  TOP w0.203: 56.34,40.98 56.29,41.03 U2.4 ; U2.73 v1(57.25,35.22) ; U2.5 55.89,40.99 55.88,40.98
  TOP w0.254: 66.75,56.54 C3.1 ; U2.67 57.64,32.82 v1(57.4,33.06) 57.1,32.75 51.31,32.75 51.09,32.53 U2.50 51.09,31.06 51.28,30.86 51.28,30.14 51,29.86 v1(51,29.55) ; v1(60.3,19.95) 61.21,20.87 61.21,22.24 61.98,23 68.22,23 69.44,24.22 69.44,26.05 68.83,26.66 68.14,26.66 68.12,26.67 U4.26 ; v1(57.25,35.22) 57.25,35.22 57.25,35.91 57.25,35.91 57.25,40.98 53.7,40.98 53.53,41.15 53.05,41.15 52.88,40.98 49.89,40.98 U2.20 ; U2.4 56.29,42.43 56.03,42.69 v1(56.03,43.27)
  TOP w0.508: v1(22.25,46.57) D12.1 D7.1 22.25,65.43 22.49,65.67 27.38,65.67 27.75,65.3 27.99,65.06 v1(38.35,65.06) ; C73.1 C72.1 51.92,5.27 51.16,6.03 51.16,6.44 50.91,6.69 D8.1 ; C73.1 54.36,6.1 54.2,6.26 R40.2 ; C73.1 55.63,5.27 57.1,3.8 v1(58.62,3.8) ; D4.1 58.57,3.85 v1(58.62,3.8) ; L1.2 22.93,42.38 24.33,40.98 v1(24.33,39.56) R6.2 ; v1(61.93,55.61) 60.76,55.61 55.58,60.79 v1(52.83,60.79) ; v1(61.93,55.61) 63.04,56.73 63.04,63.94 J8.6 ; v1(61.93,55.61) 65.68,55.61 65.85,55.78 65.99,55.78 66.75,56.54 C7.1 C6.1 ; v1(58.62,3.8) 62.59,3.8 63.04,4.25 J3.1 ; J8.4 70.87,63.44 D3.1 70.87,49.77 v1(72.19,48.45) ; R40.2 R39.2 R38.2 ; R40.2 R41.2 R42.2 R43.2
  TOP w1.27: J8.1 J8.2 J8.3 J8.4 J8.5 J8.6
  BOTTOM w0.254: v1(38.35,65.06) 38.33,65.06 37.63,64.36 J1.31 ; v1(52.83,60.79) 51.13,62.5 J1.4 51.13,64.6 49.29,66.43 ; v1(57.4,33.06) 57.25,33.21 v1(57.25,35.22)
  BOTTOM w0.508: v1(54.2,11.57) 53.69,12.08 v1(53.69,15.99) 53.69,16.55 53.75,16.6 53.75,17.97 51.77,19.95 ; 51.77,19.95 v1(60.3,19.95) ; 51.77,19.95 47.04,19.95 31.34,35.65 28.75,35.65 25.25,39.15 24.74,39.15 v1(24.33,39.56) ; 51.77,19.95 51.77,28.79 v1(51,29.55) ; v1(22.96,43.73) 22.25,44.44 v1(22.25,46.57) ; C51.1 C52.1 C53.1 55.22,43.27 v1(56.03,43.27) 56.03,43.48 55.93,43.58 55.93,44.39 56.67,45.13 v1(72.19,45.13) v1(72.19,48.45) ; v1(38.35,65.06) 39.73,66.43 49.29,66.43
EPHY_LED0: length 12.3
  TOP w0.152: v1(30.99,56.63) 30.99,57.13 31.04,57.18 31.04,59.85 30.75,60.15 29.5,60.15 29.37,60.28 29.37,61.53 29.06,61.84 29.06,63.23 27.84,64.45 v1(26.31,64.45)
  BOTTOM w0.152: U8.15 v1(30.99,56.63)
EPHY_LED1: length 11.9
  TOP w0.152: v1(26.26,62.01) 28.45,62.01 29.06,61.4 29.06,60.15 29.37,59.84 30.62,59.84 30.73,59.73 30.73,57.3 30.46,57.03 30.46,55.9 v1(31.04,55.33)
  BOTTOM w0.152: v1(31.04,55.33) 30.74,55.63 U8.17
EPHY_VDD12: length 20.9
  TOP w0.305: v1(27.69,59.88) 27.69,54.17 27.39,53.87 v1(27.39,53.29) 29.86,53.29 30.36,53.78 30.38,53.78 30.73,54.14 30.73,54.16 31.8,55.23 v1(31.8,56.07)
  BOTTOM w0.305: v1(31.8,56.07) 31.5,56.07 31.44,56.02 30.74,56.02 30.63,56.13 U8.16 ; U8.9 27.89,59.09 27.69,59.3 v1(27.69,59.88) ; U8.23 v1(27.39,53.29) v1(24.79,50.69)
EPHY_VDD12U: length 5.3
  TOP w0.305: C40.1 v1(30.18,61.1)
  BOTTOM w0.305: U8.12 29.39,58.64 29.74,58.98 29.74,58.99 30.18,59.42 v1(30.18,61.1)
EPHY_VDD33: length 20.9
  TOP w0.305: v1(30.14,58.49) 28.95,58.49 28.45,58.99 v1(28.45,59.58) 28.45,60.16 27.97,60.64 26.01,60.64 24.79,59.42 v1(24.79,54.85)
  BOTTOM w0.305: U8.1 25.22,55.13 24.94,54.85 v1(24.79,54.85) ; U8.10 28.39,59.52 v1(28.45,59.58) ; v1(30.14,58.49) U8.13 32.33,57.63 32.36,57.59 C25.1 C24.1
EPHY_XTAL1: length 12.6
  BOTTOM w0.152: C39.1 33.93,48.65 Y2.2 32.85,49.53 32.83,49.74 32.96,49.91 33.05,50 33.05,50.7 32.72,51.04 32.72,51.78 32.38,52.11 29.6,52.11 28.3,53.41 28.3,53.63 28.39,53.72 U8.21
EPHY_XTAL2: length 12.3
  BOTTOM w0.152: U8.22 27.89,53.72 27.99,53.63 27.99,53.28 29.47,51.8 32.26,51.8 32.41,51.65 32.41,50.91 32.75,50.58 32.75,50.13 32.73,50.12 32.59,49.94 32.38,49.91 Y2.1 31.29,50.69 C54.1
HOSCI: length 10.4
  TOP w0.152: C57.1 Y3.1 48.63,27.45 48.84,27.43 48.84,27.43 49.13,27.66 49.3,27.66 49.6,27.36 50.33,27.36 51.64,28.66 51.64,31.01 51.49,31.16 U2.51
HOSCO: length 10.7
  TOP w0.152: U2.52 51.89,31.19 51.94,31.14 51.94,28.54 50.46,27.05 49.48,27.05 49.2,27.33 49.03,27.19 49.01,26.98 Y3.2 49.78,25.9 C55.1
HPCOM: length 61.6
  TOP w0.152: v1(88.98,63.84) 88.65,64.18 88.65,64.73 88.32,65.06 81.68,65.06 79.88,63.26 79.88,56.51 82.4,53.99 82.4,51.45 78.64,47.69 70.6,47.69 70.46,47.83 69.52,47.83 69.38,47.69 68.59,47.69 67.93,47.03 67.93,46.84 64.82,43.73 60.29,43.73 59.91,43.35 57.02,43.35 56.74,43.07 56.74,42.72 56.69,42.68 U2.3 56.71,42.01
  BOTTOM w0.152: R25.2 92.91,64.86 J5.1 91.08,63.84 v1(88.98,63.84)
HPCOMFB: length 56.3
  TOP w0.152: 57.16,42.06 U2.2 57.09,42.91 57.14,42.96 59.96,42.96 60.42,43.42 64.95,43.42 68.24,46.71 68.24,46.91 68.72,47.38 69.5,47.38 69.64,47.52 70.34,47.52 70.48,47.38 78.77,47.38 82.7,51.32 82.7,54.12 80.18,56.63 80.18,63.14 81.81,64.76 88.19,64.76 88.34,64.6 88.34,64.18 v1(88,63.84)
  BOTTOM w0.152: R25.1 89.07,64.91 v1(88,63.84)
HPL: length 50.3
  TOP w0.152: v1(69.99,46.68) 78.93,46.68 83.31,51.07 83.31,54.37 81.18,56.5 81.18,59.6 81.61,60.03 82.37,60.03 82.63,60.29 83.88,61.54 85.33,61.54 85.74,61.14 85.74,60.01 J5.3 ; U2.1 59.5,41.99 60.63,43.12 65.08,43.12 68.42,46.46 68.54,46.46 v1(68.77,46.68)
  BOTTOM w0.152: v1(68.77,46.68) v1(69.99,46.68)
HPR: length 45.4
  TOP w0.152: J5.4 83.92,62.01 82.25,60.34 81.48,60.34 80.87,59.73 80.87,56.38 83.01,54.24 83.01,51.19 78.89,47.08 70.35,47.08 70.21,47.22 69.77,47.22 69.3,46.75 69.3,46.46 68.99,46.15 68.54,46.15 65.2,42.81 60.76,42.81 59.17,41.22 U2.88
HUB_1V8: length 17
  TOP w0.305: U4.12 74.81,32.43 v1(75.44,33.06) ; U4.28 v1(68.48,25.39)
  BOTTOM w0.305: v1(68.48,25.39) 69.25,25.39 70.51,26.66 70.51,30.92 72.64,33.06 v1(75.44,33.06)
HUB_3V3: length 26.3
  TOP w0.305: v1(77.32,37.78) 74.4,34.87 v1(74.4,33.82) 74.4,33.44 74.03,33.07 U4.13 ; U4.21 68.15,29.87 68.34,30.06 v1(69.04,30.06)
  BOTTOM w0.305: v1(74.4,33.82) 72.76,33.82 69.14,30.2 R8.2 v1(69.04,30.06) 66.81,30.06 62.95,33.92 R9.2
HUB_DM1: length 13.4
  TOP w0.152: U4.10 73.76,31.15 73.93,31.32 78.04,31.32 79.96,33.24 79.96,36.41 80.47,36.92 80.69,36.92 J10.2
HUB_DM2: length 22.2
  TOP w0.152: J11.2 80.69,15.59 80.34,15.59 79.35,16.58 79.35,28.49 77.8,30.04 73.93,30.04 73.76,29.87 U4.8
HUB_DM3: length 166.7
  TOP w0.152: U4.6 71.73,28.59 71.56,28.76 71.3,28.76 70.97,29.09 70.97,35.01 v1(70.63,35.34)
  BOTTOM w0.152: v1(70.63,35.34) 70.97,35.68 70.97,37.9 72.67,39.6 81.94,39.6 81.95,39.61 86.21,39.61 88.49,37.33 88.49,4.74 85.27,1.51 6.81,1.51 6.2,2.12 6.2,11.69 12.48,17.97 12.82,17.97 J12.2
HUB_DM4: length 111
  TOP w0.152: v1(76.95,28.79) 76.61,28.45 76.61,28.11 75.98,27.48 73.93,27.48 73.76,27.31 U4.4 ; v1(79.35,45.55) 79.04,45.25 79.04,36.74 78.26,35.95 77.03,35.95 76.61,35.53 76.61,35.23 v1(76.95,34.89)
  BOTTOM w0.152: v1(76.95,34.89) 76.61,34.55 76.61,29.13 v1(76.95,28.79) ; v1(79.35,45.55) 79.04,45.86 79.04,68.26 77.22,70.09 28.12,70.09 27.07,69.05 27.07,61.19 26.77,60.89 26.77,59.61 26.99,59.39 26.99,59.12 26.89,59.03 U8.7
HUB_DP1: length 13.4
  TOP w0.152: U4.11 73.76,31.79 73.93,31.63 77.92,31.63 79.65,33.36 79.65,36.54 80.34,37.23 80.69,37.23 J10.3
HUB_DP2: length 22.2
  TOP w0.152: J11.3 80.69,15.89 80.47,15.89 79.65,16.71 79.65,28.61 77.92,30.35 73.93,30.35 73.76,30.51 U4.9
HUB_DP3: length 163.7
  TOP w0.152: v1(71.61,35.34) 71.27,35.01 71.27,29.22 71.42,29.07 71.56,29.07 71.73,29.23 U4.7
  BOTTOM w0.152: v1(71.61,35.34) 71.27,35.68 71.27,37.77 72.8,39.29 82.07,39.29 82.08,39.31 86.08,39.31 88.19,37.2 88.19,4.86 85.14,1.82 6.93,1.82 6.5,2.25 6.5,11.56 12.6,17.66 12.82,17.66 J12.3
HUB_DP4: length 109.5
  TOP w0.152: v1(75.96,34.89) 76.3,35.23 76.3,35.66 76.9,36.26 78.13,36.26 78.74,36.87 78.74,45.18 v1(78.37,45.55) ; v1(75.96,28.79) 76.3,28.45 76.3,28.24 75.85,27.79 73.93,27.79 73.76,27.95 U4.5
  BOTTOM w0.152: U8.8 27.39,59.03 27.3,59.12 27.3,59.52 27.08,59.74 27.08,60.77 27.38,61.07 27.38,68.92 28.24,69.79 77.09,69.79 78.74,68.14 78.74,45.93 v1(78.37,45.55) ; v1(75.96,34.89) 76.3,34.55 76.3,29.13 v1(75.96,28.79)
HUB_DRV: length 20.3
  TOP w0.152: U4.22 63.7,29.23 62.03,27.56 ; 62.03,27.56 D14.1 D11.2 ; 62.03,27.56 60.95,28.64 58.78,28.64 57.61,27.47 D9.1 D6.2 ; 62.03,27.56 D15.1
HUB_LED1: length 12.1
  TOP w0.152: U4.23 v1(65.53,28.59)
  BOTTOM w0.152: v1(65.53,28.59) 65.02,28.09 65.02,26.2 64.87,26.05 63.2,26.05 62.89,25.74 62.89,23.76 62.59,23.46 60.7,23.46 59.84,22.59 R36.1
HUB_LED2: length 4.6
  TOP w0.152: v1(65.63,26.2) 65.63,27.55 66.04,27.95 U4.24
  BOTTOM w0.152: R48.1 66.04,25.79 v1(65.63,26.2)
HUB_VBUSM: length 6.3
  TOP w0.305: v1(65.48,32.28) 65.96,31.79 U4.18
  BOTTOM w0.305: v1(65.48,32.28) 65.07,32.69 65.07,33.27 v1(62.69,35.65)
HUB_XIN: length 11.2
  TOP w0.152: C12.1 76.61,21.78 Y1.2 75.9,20.87 75.45,20.87 75.39,20.93 75.39,25.39 74.27,26.51 73.93,26.51 73.76,26.67 U4.3
HUB_XOUT: length 10.7
  TOP w0.152: U4.2 73.76,26.03 73.93,26.2 74.15,26.2 75.08,25.26 75.08,20.51 74.22,19.65 Y1.1 C20.1
LCD_CLK: length 31
  TOP w0.152: v1(36.98,62.01) 36.98,48.12 43.74,41.36 44.92,41.36 45.3,40.99 v1(46.87,40.99) 46.95,40.99 47.1,40.84 47.1,40.77 47.85,40.02 U2.26
  BOTTOM w0.152: v1(36.98,62.01) 37.56,62.59 37.78,62.59 38.13,62.94 J1.30
LCD_D2: length 33.2
  TOP w0.152: U2.6 55.49,56.77 v1(52.37,59.88)
  BOTTOM w0.152: v1(52.37,59.88) 42.8,59.88 41.55,61.12 v1(41.55,62.01) 41.55,62.86 41.63,62.94 J1.23
